# Altium PCB PowerSystem-v1.0.PcbDoc
Units mil, origin at the board's own origin, x right, y up, seen from the top; angles counter-clockwise.
Board outline 2753.65 x 2755.64 mil, 2 copper layers (Top Layer, Bottom Layer); 53 components, 27 nets, 216 pads, 3 vias.
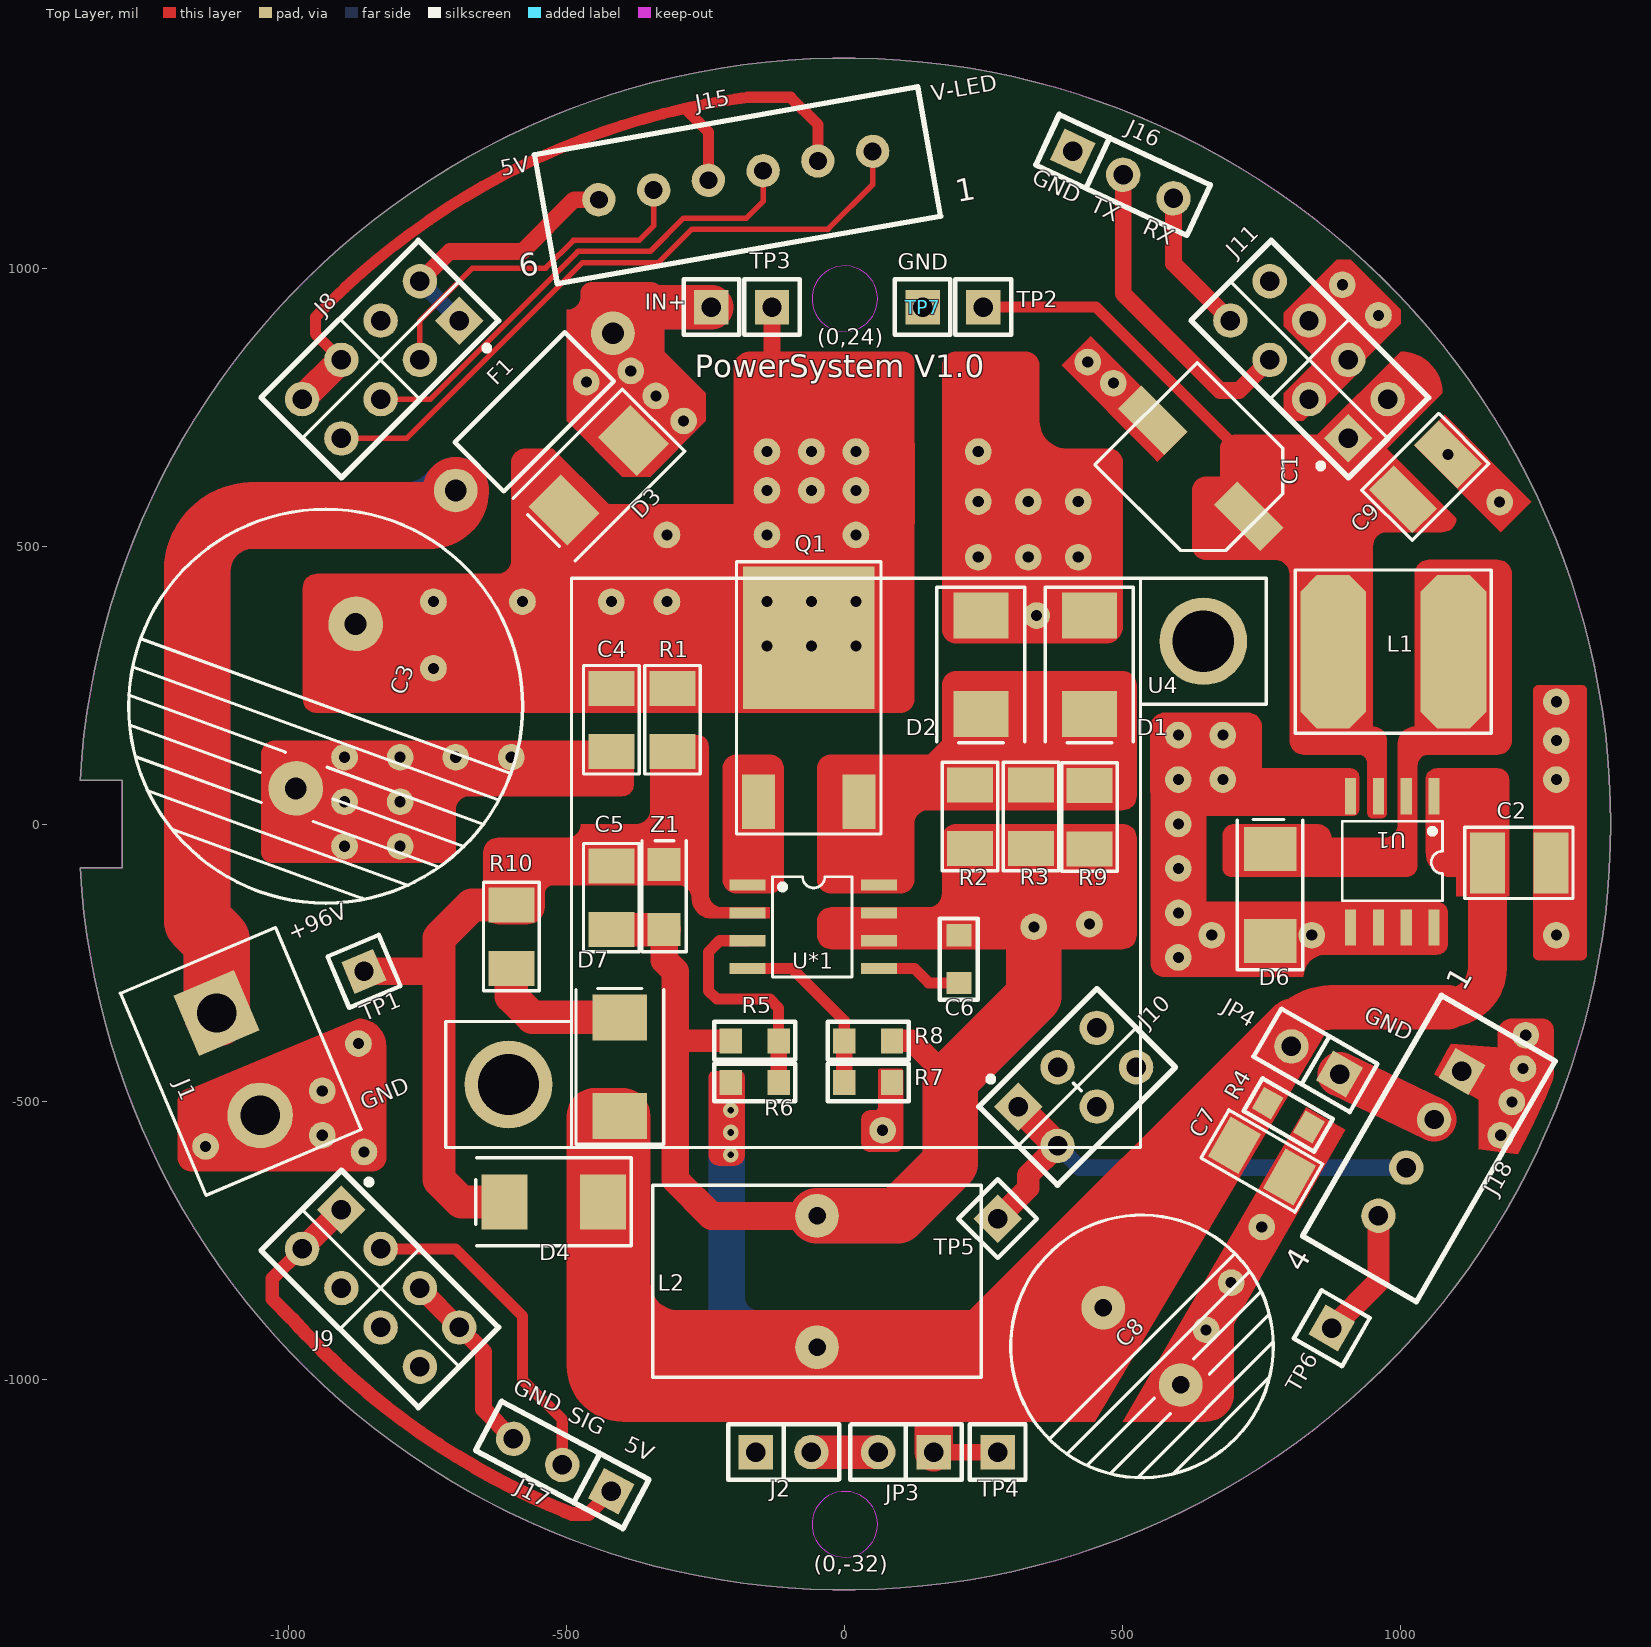
[diagram p0: Top Layer view]
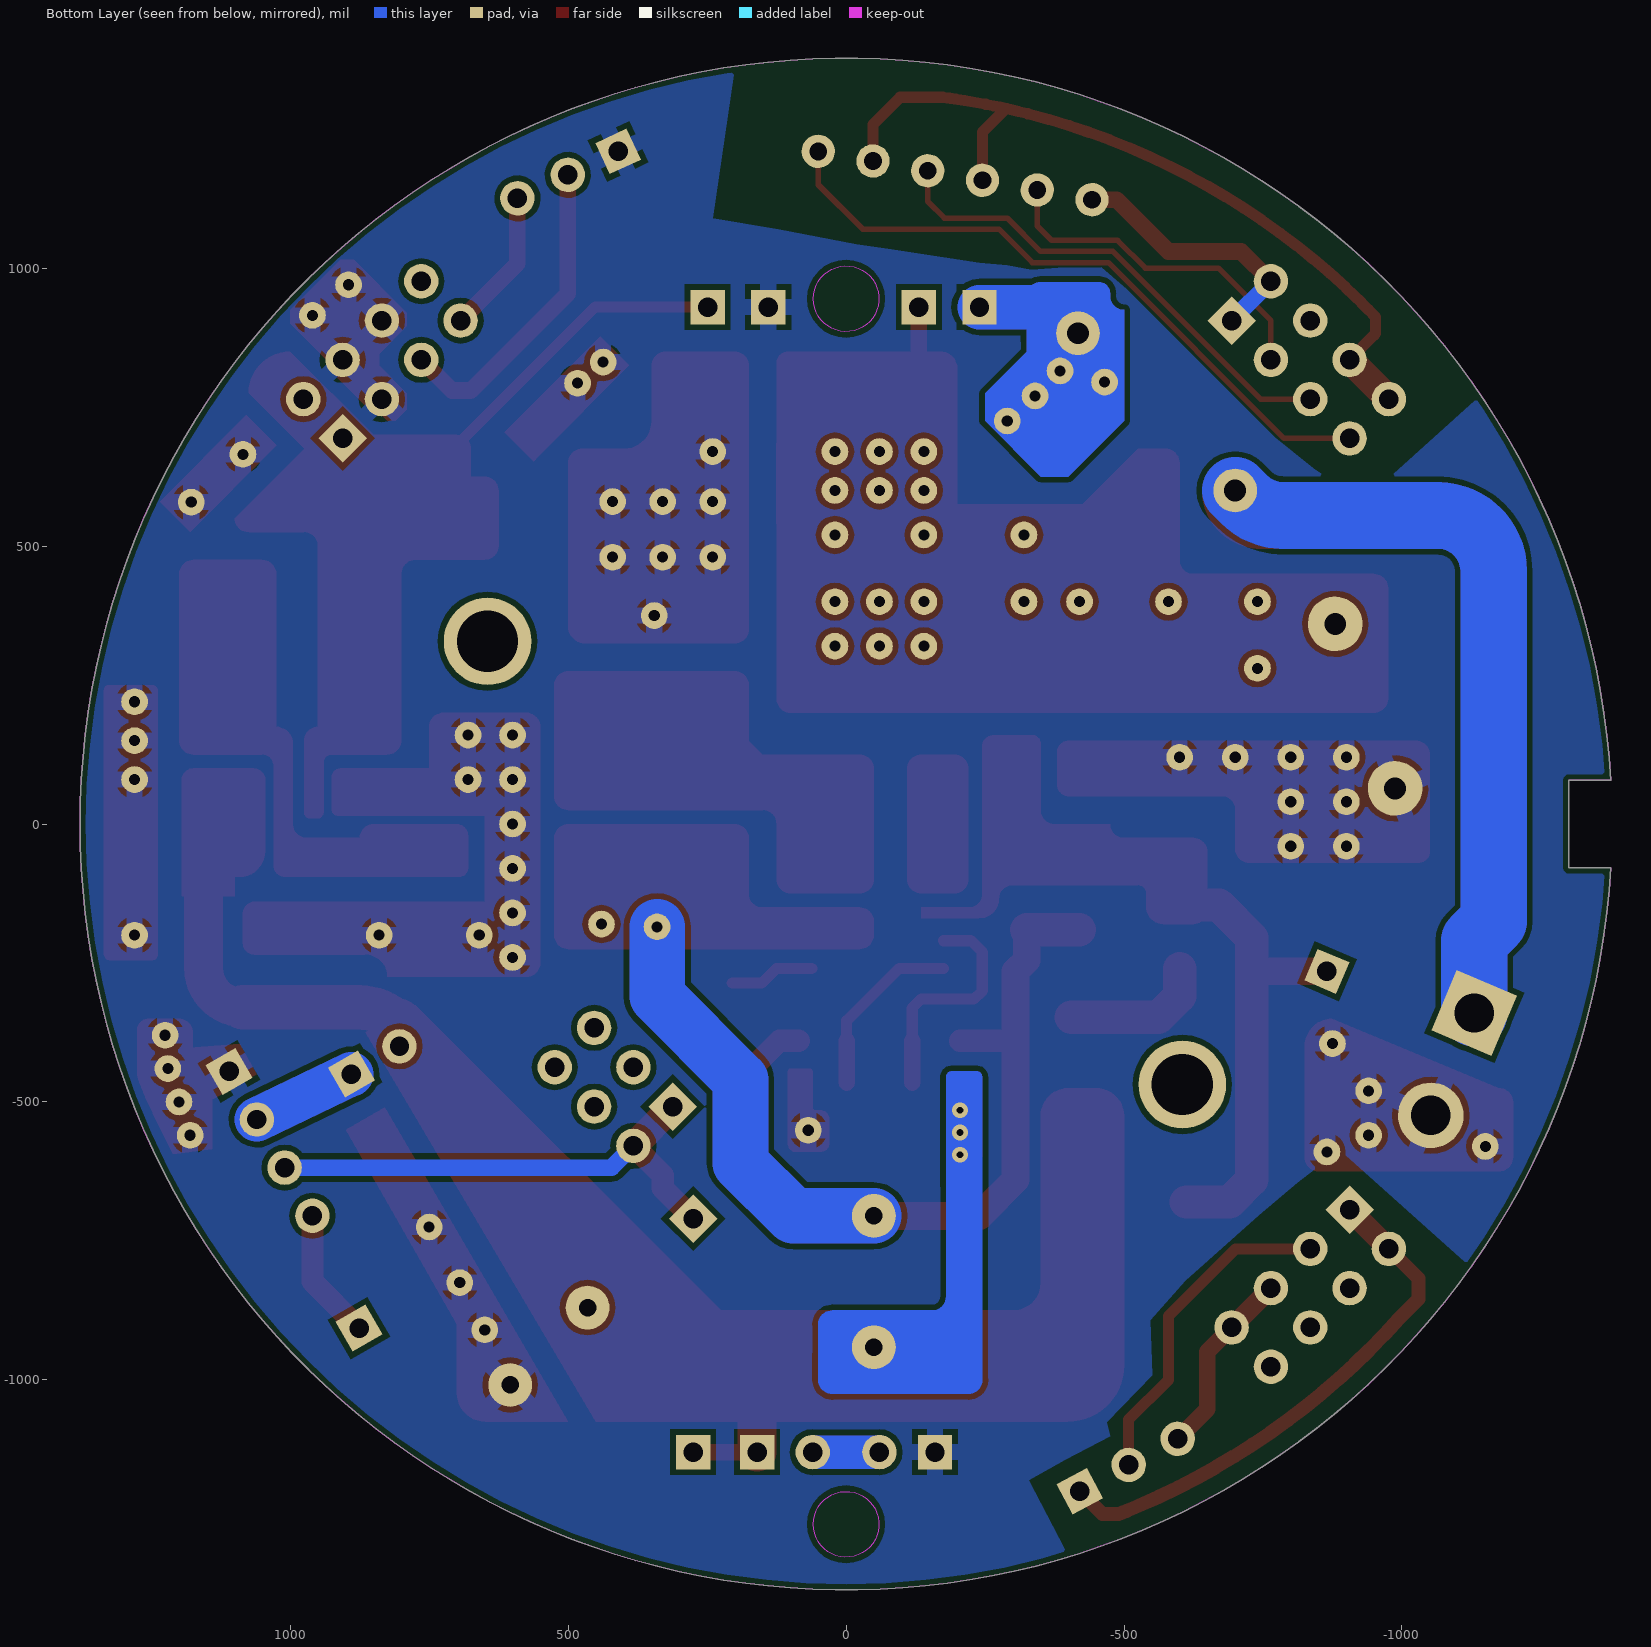
[diagram p1: Bottom Layer view, seen from below]

## Layer stack, top to bottom
Top Layer: signal copper 1.4
Dielectric: dielectric 12.6, FR-4, Dk 4.8
Bottom Layer: signal copper 1.4

## Board outline
-1375.7,-78.78 ccw(c0,0) -1375.7,78.78 -1375,78.74 -1300,78.74 -1300,-78.74

## Design rules (kind name [scope] priority, off if disabled: settings)
Clearance [All] p1: gap=10
ComponentClearance [All] p1: gap=-1 collisioncheckmode=3 verticalgap=-1 showdistances=FALSE
HoleSize [All] p1: absolutevalues=TRUE maxlimit=120 minlimit=1 maxpercent=80.000 minpercent=20.000
PlaneConnect [All] p1: planeconnectstyle=Relief reliefexpansion=20 reliefentries=4 reliefconductorwidth=30 reliefairgap=10
PolygonConnect [All] p1: connectstyle=Relief reliefconductorwidth=30 reliefentries=4 polygonreliefangle="90 Angle" airgapwidth=10
RoutingVias [All] p1: holewidth=28 width=50 viastyle="Through Hole" minholewidth=28 minwidth=50 maxholewidth=28 maxwidth=50
SilkToSilkClearance [All] p1: silktosilkclearance=-1
SolderMaskExpansion [All] p1: expansion=4
Width [All] p1: maxlimit=200 minlimit=10 preferedwidth=10 minimp=50.000000 maximp=50.000000 favimp=50.000000
24 further rules are at their usual default settings.

## Components (designator, comment, footprint, x,y, rotation, side; value= is the part's Value field where it differs from the comment)
C1 "100uF/16V" C+_6.3-7 590,690 r225 top
C2 "105/1210" 1210 1270,-70 r180 top
C3 "330uF/250V" C-18-8 -880,360 r250 top locked
C4 "10uF/160V/1206" 1206 -420,130 r90 top
C5 "10uF/50V/1206" 1206 -420,-190 r90 top
C6 "4.7uF/0805" 0805 205,-200 r270 top
C7 "10uF/35V/1206" 1206 800,-635 r150 top
C8 "470uF/63V" C-12-5 465,-870 r315 top
C9 "105/1210" 1210 1085,665 r225 top
D1 "SS510" DO-214AA 440,375 r270 top
D2 "SS510" DO-214AA 245,375 r270 top
D3 "S3M" S3M -380,690 r225 top
D4 "SS3200" S3M -435,-680 r180 top
D6 "DI" SS34 765,-45 r270 top
D7 "BAV21W" S3M -405,-525 r90 top
F1 "FUSE" PPTC-10MM -700,600 r45 top
IN+ "TP" CON1 -240,930 r0 top
J1 "CON2" CON2-5.08 -1130,-340 r293 top
J2 "CON2" CON2 -160,-1130 r0 top
J8 "CON4*2" CON4*2 -835,835 r225 top locked
J9 "CON4*2" CON4*2 -835,-835 r315 top locked
J10 "CON3*2" CON3*2 418,-473 r45 top locked
J11 "CON4*2" CON4*2 835,835 r135 top locked
J15 "CON6" CON6 50,1210 r190 top locked
J16 "CON3" CON3 410,1210 r335 top
J17 "CON3" CON3 -420,-1200 r152 top
J18 "CON4" CON4 1110,-445 r240 top
JP3 "JP-2" CON2 160,-1130 r180 top
JP4 "JP-2" CON2 890,-450 r150 top
L1 "68uH/2A" L-CD75 1095,310 r90 top
L2 "100uH/1mm" L-6MM -50,-705 r270 top locked
Q1 "HC080N10L" IRFR220N -65,40 r0 top
R1 "51K/1206" 1206 -310,130 r90 top
R2 "0R13/1%/1206" 1206 225,-44.17 r90 top
R3 "0R13/1%/1206" 1206 335,-44.17 r90 top
R4 "6.8K/0805" 0805 835,-545 r150 top
R5 "3.9K/1%/0805" 0805 -205,-390 r0 top
R6 "240K/1%/0805" 0805 -205,-465 r0 top
R7 "240K/1%/0805" 0805 85,-465 r180 top
R8 "3.9K/1%/0805" 0805 85,-390 r180 top
R9 "0R13/1%/1206" 1206 440,-45 r90 top
R10 "0R" 1206 -600,-260 r90 top
TP1 "TP" CON1 -865,-265 r293 top
TP2 "TP" CON1 249,930 r0 top
TP3 "TP" CON1 -131,930 r0 top
TP4 "TP" CON1 275,-1130 r0 top
TP5 "TP" CON1 275,-710 r45 top
TP6 "TP" CON1 876,-907 r240 top
TP7 "TP" CON1 140,930 r0 top
U1 "XL1509-5.0E1" XL1509 1060,50 r180 top
U4 "FAN" FAN-26*26MM 20,-70 r180 top locked
U*1 "BZ1303A" BZ1303A -175,-110 r270 top
Z1 "27V/0.5W" SOD123 -325,-190 r90 top

## Footprints (in the part's own frame and the unit in brackets; to place one, negate y for a bottom-side part, rotate by r counter-clockwise, add the part's x,y. Pads: shape width x height; smd on the part's side, far side on the other; paste and mask are expansions set on the pad)
0805 [mil]
  rect 40x45 smd: 1(0,0) 2(86,0)
  silkscreen extent -30,-34 116,34
1206 [mm]
  rect 1.6x2.1 smd: 1(0,0) 2(2.9,0)
  silkscreen extent -1.02,-1.27 3.94,1.27
1210 [mm]
  rect 1.6x2.8 smd: 1(0,0) 2(2.9,0)
  silkscreen extent -1.02,-1.63 3.94,1.63
BZ1303A [mil]
  rect 20x65 smd: 1(0,0) 2(50,0) 3(100,0) 4(150,0) 5(150,236.22) 6(100,236.22) 7(50,236.22) 8(0,236.22)
  silkscreen extent -15,45 165,188
C+_6.3-7 [mm]
  rect 1.5x3 smd: A(0,4.9) K(0,-1.3)
  silkscreen extent -3.3,-1.73 3.3,5.27
C-12-5 [mm]
  round 2 hole 0.8: A(0,0) K(5,0)
  silkscreen extent -3.5,-6 8.5,6
C-18-8 [mm]
  round 2.5 hole 1: A(0,0) K(8,0)
  silkscreen extent -5,-9 13,9
CON1 [mil]
  rect 62x62 hole 35: 1(0,0)
  silkscreen extent -50,-50 50,50
CON2 [mil]
  rect 62x62 hole 35: 1(0,0)
  round 62 hole 35: 2(100,0)
  silkscreen extent -50,-50 150,50
CON2-5.08 [mm]
  rect 3x3 hole 1.8: 1(0,0)
  round 3 hole 1.8: 2(5.08,0)
  silkscreen extent -2.55,-3.7 7.48,4
CON3 [mil]
  rect 62x62 hole 35: 1(0,0)
  round 62 hole 35: 2(100,0) 3(200,0)
  silkscreen extent -50,-50 250,50
CON3*2 [mil]
  rect 62x62 hole 35: 1(-100,50)
  round 62 hole 35: 2(-100,-50) 3(0,50) 4(0,-50) 5(100,50) 6(100,-50)
  silkscreen extent -150,-100 150,125
CON4 [mil]
  rect 62x62 hole 35: 1(0,0)
  round 62 hole 35: 2(100,0) 3(200,0) 4(300,0)
  silkscreen extent -100,-100 400,136
CON4*2 [mil]
  rect 62x62 hole 35: 1(-150,50)
  round 62 hole 35: 2(-150,-50) 3(-50,50) 4(-50,-50) 5(50,50) 6(50,-50) 7(150,50) 8(150,-50)
  silkscreen extent -200,-104 200,125
CON6 [mil]
  round 60 hole 32: 1(0,0) 2(100,0) 3(200,0) 4(300,0) 5(400,0) 6(500,0)
  silkscreen extent -100,-100 600,136
DO-214AA [mm]
  rect 2.1x2.5 smd: A(0,0) K(4.5,0)
  silkscreen extent -1.3,-2.02 5.82,2
FAN-26*26MM [mm]
  round 4 hole 2.8: 1(-15.875,-10.125) 2(15.875,10.125)
  silkscreen extent -18.75,-13 18.75,13
IRFR220N [mm]
  rect 6x6.5 smd: D(0,7.5)
  rect 1.5x2.5 smd: G(-2.3,0) S(2.3,0)
  silkscreen extent -3.3,-1.47 3.3,10.97
L-6MM [mm]
  round 2 hole 0.8: 1(0,0) 2(6,0)
  silkscreen extent -1.4,-7.5 7.37,7.5
L-CD75 [mm]
  oct 7x3 smd: 1(0,0) 2(0,5.5)
  silkscreen extent -3.73,-1.73 3.73,7.24
PPTC-10MM [mm]
  round 2 hole 1: 1(0,0) 2(10.16,0)
  silkscreen extent 1.52,-1.59 8.64,1.59
S3M [mm]
  rect 2.1x2.5 smd: A(0,0) K(4.5,0)
  silkscreen extent -1.3,-2.02 5.82,2
SOD123 [mm]
  rect 1.5x1.5 smd: A(0,0) K(2.972,0)
  silkscreen extent -1.02,-1.02 4.06,1.02
SS34 [mm]
  rect 2x2.4 smd: A(4.2,0) K(0,0)
  silkscreen extent -1.35,-1.5 5.51,1.5
XL1509 [mil]
  rect 20x65 smd: 1(0,0) 2(50,0) 3(100,0) 4(150,0) 5(150,236.22) 6(100,236.22) 7(50,236.22) 8(0,236.22)
  silkscreen extent -15,45 165,188

## Part data
C1 C3 C8: library part "C +"
C2 C4 C5 C6 C7 C9: library part C, "0603"
D1 D2 D3 D4 D7: library part D
L1 L2: library part L
Q1: library part MOS-N, "MOS-N"
R1 R2 R3 R4 R5 R6 R7 R8 R9 R10: library part R, "0603"
Z1: library part DI

## Free pads (board coordinates)
  round 48 hole 20: 1(-1150,-580) 1(-940,-560) 1(-940,-480) 1(-900,-40) 1(-900,40) 1(-900,120) 1(-875,-395) 1(-865,-590) 1(-800,-40) 1(-800,40) 1(-800,120) 1(-740,280) 1(-740,400) 1(-700,120) 1(-600,120) 1(-580,400) 1(-465,795) 1(-420,400) 1(-385,815) 1(-340,770) 1(-320,400) 1(-320,520) 1(-290,725) 1(-140,320) 1(-140,400) 1(-140,520) 1(-140,600) 1(-140,670) 1(-60,320) 1(-60,400) 1(-60,600) 1(-60,670) 1(20,320) 1(20,400) 1(20,520) 1(20,600) 1(20,670) 1(68,-551) 1(240,480) 1(240,580) 1(240,670) 1(330,480) 1(330,580) 1(340,-185) 1(345,375) 1(420,480) 1(420,580) 1(437,831) 1(440,-180) 1(483,793) 1(600,-240) 1(600,-160) 1(600,-80) 1(600,0) 1(600,80) 1(600,160) 1(650,-910) 1(660,-200) 1(680,80) 1(680,160) 1(695,-825) 1(750,-725) 1(840,-200) 1(895,970) 1(960,915) 1(1085,665) 1(1178,579) 1(1180,-560) 1(1200,-500) 1(1220,-440) 1(1225,-380) 1(1280,-200) 1(1280,80) 1(1280,150) 1(1280,220)

## Via types
v1: diameter 28, hole 12, Top Layer to Bottom Layer, 3 vias

## Nets (pads, with @x,y where several pads share a name; then routed paths per layer and width w, separated by ;. In a path a pad name is that pad's centre, name@x,y a point inside that pad or via, vN(x,y) a via of type N, cw(c..) or ccw(c..) an arc to the next point about the centre after c; other vN are vias at no path point)
5V: C1.A C9.2 J11.1 J11.2 L1.2 TP2.1 U1.3 | length 876.9
  Top Layer w20: TP2.1 451.9,930 710.95,670.95 883.08,670.95 ccw(c883.08,693.58) J11.1
  Top Layer w70: J11.1 J11.2
24V: C2.2 C7.2 C8.A D4.A D7.A JP3.1 JP4.2 L2.2 R4.2 R6.1 TP4.1 U1.1 | length 2093.8
  Top Layer w30: JP3.1 TP4.1
  Top Layer w70: JP3.1 160,-1047 169,-1038 170,-1039 ; C8.A 610,-725 610,-618.4 ; 1085,-330 ccw(c1085,-259.17) 1155.83,-259.17 C2.2
  Top Layer w80: 805.71,-359.29 cw(c876.42,-430) 876.42,-330 1085,-330
  Top Layer w90: 795,-370 805.71,-359.29
  Top Layer w100: -435,-850 -343.78,-941.22 L2.2 393.78,-941.22 C8.A
  other v1: -205,-595 -205,-555 -205,-515
GND: C1.K C2.1 C3.K C4.1 C7.1 C8.K C9.1 D1.A D2.A D6.A J1.2 J2.1 J8.6 J8.8 J9.5 J9.7 J11.3 J11.4 J11.6 J15.2 J15.4 J16.1 J17.3 J18.1 pad.1@68,-551 pad.1@240,480 pad.1@240,580 pad.1@240,670 pad.1@330,480 pad.1@330,580 pad.1@345,375 pad.1@420,480 pad.1@420,580 pad.1@437,831 pad.1@483,793 pad.1@600,0 pad.1@600,80 pad.1@600,160 pad.1@600,-80 pad.1@600,-160 pad.1@600,-240 pad.1@650,-910 pad.1@660,-200 pad.1@680,80 pad.1@680,160 pad.1@695,-825 pad.1@750,-725 pad.1@840,-200 pad.1@895,970 pad.1@960,915 pad.1@1085,665 pad.1@1178,579 pad.1@1180,-560 pad.1@1200,-500 pad.1@1220,-440 pad.1@1225,-380 pad.1@1280,80 pad.1@1280,150 pad.1@1280,220 pad.1@1280,-200 pad.1@-600,120 pad.1@-700,120 pad.1@-800,40 pad.1@-800,120 pad.1@-800,-40 pad.1@-865,-590 pad.1@-875,-395 pad.1@-900,40 pad.1@-900,120 pad.1@-900,-40 pad.1@-940,-480 pad.1@-940,-560 pad.1@-1150,-580 R4.1 R7.1 TP7.1 U1.4 U1.5 U1.6 U1.7 U1.8 | length 2249
  Top Layer w20: J8.6 -950,879.29 cw(c-944.12,885.17) -952.44,885.17 -952.44,912.33 cw(c0,0) -927.55,937.63 cw(c0,0) -174.64,1307.28 ; -310.33,1281.87 cw(c0,0) -287.91,1287.09 ; -265.4,1291.92 ccw(c0,0) -287.91,1287.09 ; J15.4 -245.44,1244.62 -287.91,1287.09 ; -197.43,1304.04 cw(c0,0) -174.64,1307.28 ; J15.2 -48.48,1258.48 -97.28,1307.28 -174.64,1307.28
  Top Layer w30: J9.7 -650,-949.29 -650,-1052.7 J17.3
  Top Layer w35: J9.5 J9.7
  Top Layer w50: J8.8 J8.6
  Top Layer w60: J11.3 J11.4 J11.6
  Top Layer w70: D2.A D1.A
GP2Y1014_5V: J8.1 J8.2 J15.6 | length 482.7
  Top Layer w30: J8.2 -710.71,1030 -580,1030 -486.82,1123.18 J15.6
  Bottom Layer w30: J8.2 J8.1
LED: J8.5 J15.3 | length 890.6
  Top Layer w10: J8.5 -745.71,764.29 -480,1030 -350,1030 -290,1090 -176.96,1090 -146.96,1120 J15.3
MG812_5V: J9.1 J9.2 J17.1 | length 1064.2
  Top Layer w25: J9.2 -1030,-817.87 -1030,-854.52 -995.03,-889.49 ; -504.4,-1235.66 ccw(c0,0) -490.49,-1241.25 ; J17.1 -461.25,-1241.25 -490.49,-1241.25 ; -995.03,-889.49 ccw(c0,0) -979.35,-906.72 ; -995.03,-889.49 ccw(c0,0) -979.35,-906.72 ; -995.03,-889.49 ccw(c0,0) -490.49,-1241.25 ; -995.03,-889.49 ccw(c0,0) -979.35,-906.72
  Top Layer w30: J9.2@-982.96,-770.83 J9.2
  Top Layer w40: J9.2 J9.1
MG812_SIG: J9.3 J17.2 | length 602.8
  Top Layer w20: J9.3 -700.71,-764.29 -580,-885 -580,-1000 -508.29,-1071.71 J17.2
MOTOR_DAC_IN: J10.1 J10.2 J18.3 TP5.1 | length 919.1
  Top Layer w40: TP5.1 330,-655 330,-631.71 J10.2
  Top Layer w50: J10.1 J10.2
  Bottom Layer w30: J10.2 421.78,-618.21 J18.3
NetC3_A: C3.A C4.2 D3.K pad.1@20,320 pad.1@20,400 pad.1@20,520 pad.1@20,600 pad.1@20,670 pad.1@-60,320 pad.1@-60,400 pad.1@-60,600 pad.1@-60,670 pad.1@-140,320 pad.1@-140,400 pad.1@-140,520 pad.1@-140,600 pad.1@-140,670 pad.1@-320,400 pad.1@-320,520 pad.1@-420,400 pad.1@-580,400 pad.1@-740,280 pad.1@-740,400 Q1.D R1.2 TP3.1 | length 111.1
  Top Layer w30: -131,833 TP3.1 ; -110,830 -100,820
NetC5_1: C5.1 C6.1 L2.1 pad.1@340,-185 pad.1@440,-180 R2.1 R3.1 R5.1 R8.1 R9.1 U*1.6 U*1.7 Z1.A | length 2597.2
  Top Layer w40: -300,-390 R5.1 ; R8.1 120,-390 190,-460
  Top Layer w50: Z1.A -325,-245 -305,-265 -305,-640 -240,-705 L2.1
  Top Layer w60: C5.1 Z1.A
  Top Layer w100: L2.1 95,-705 190,-610 190,-460 340,-310 pad.1@340,-185
  Bottom Layer w100: L2.1 95,-705 190,-610 190,-460 340,-310 pad.1@340,-185
NetC5_2: C5.2 D4.K R1.1 R10.2 TP1.1 U*1.2 Z1.K | length 858.9
  Top Layer w50: TP1.1 -730,-265
  Top Layer w60: D4.K -690,-680 -730,-640 -730,-265 -730,-205 -670.83,-145.83 R10.2
NetC6_2: C6.2 U*1.5 | length 154.5
  Top Layer w20: U*1.5 125,-260 151,-286 C6.2
NetD1_K: D1.K D2.K Q1.S R2.2 R3.2 R9.2 U*1.8
NetD3_A: D3.A F1.2 IN+.1 pad.1@-290,725 pad.1@-340,770 pad.1@-385,815 pad.1@-465,795 | length 326.7
  Top Layer w80: -370,930 IN+.1
  Bottom Layer w80: F1.2 -370,930 IN+.1
NetD6_K: D6.K L1.1 U1.2
NetD7_K: D7.K R10.1 | length 260.7
  Top Layer w60: R10.1 -600,-310 -562.17,-347.83 D7.K
NetF1_1: F1.1 J1.1 | length 2703.2
  Top Layer w120: J1.1 -1130,-210 -1165,-175 -1165,455 cw(c-1065,455) -1065,555 -745,555 ccw(c-745,600) F1.1
  Bottom Layer w120: J1.1 -1130,-210 -1165,-175 -1165,455 cw(c-1065,455) -1065,555 -786.42,555 ccw(c-786.42,655) -715.71,584.29 F1.1
NetJ2_2: J2.2 JP3.2 | length 240
  Top Layer w60: J2.2 JP3.2
  Bottom Layer w60: J2.2 JP3.2
NetJ18_2: J18.2 JP4.1 | length 377.1
  Top Layer w80: JP4.1 J18.2
  Bottom Layer w80: JP4.1 J18.2
NetJ18_4: J18.4 TP6.1 | length 237
  Top Layer w40: TP6.1 960,-823 J18.4
NetQ1_G: Q1.G U*1.1
NetR5_2: R5.2 R6.2 U*1.3 | length 421.1
  Top Layer w20: U*1.3 -225,-210 -245,-230 -245,-300 -230,-315 -135,-315 -119,-331 R5.2
  Top Layer w30: R6.2 R5.2
NetR7_2: R7.2 R8.2 U*1.4 | length 394.9
  Top Layer w15: R7.2@-5,-461 R8.2@-5,-390
  Top Layer w20: U*1.4 -95,-260 -1,-354 R8.2
  Top Layer w30: R7.2 R8.2
UART_RX: J11.7 J16.3 | length 262.1
  Top Layer w30: J16.3 591.26,1008.03 J11.7
UART_TX: J11.5 J16.2 | length 572
  Top Layer w30: J16.2 500.63,954.37 675,780 709.29,780 J11.5
V-LED: J8.7 J15.1 | length 1204.8
  Top Layer w10: J8.7 -788.14,693.58 -471.72,1010 -335,1010 -275,1070 -30,1070 50,1150 J15.1
VO: J8.3 J15.5 | length 626.1
  Top Layer w10: J8.3 -764.29,905.71 -670,1000 -538.28,1000 -488.28,1050 -370,1050 -343.92,1076.08 J15.5
pads on no net: J8.4 J9.4 J9.6 J9.8 J10.3 J10.4 J10.5 J10.6 J11.8 U4.1 U4.2

## Polygon pours and split planes (outlines as drawn)
GND on Bottom Layer "Top Layer-No Net" (solid, remove dead copper, pour order 3): -1400,1400 1400,1400 1400,-1400 -1400,-1400 -1400,1400

## Keep-outs
Keep-Out Layer:
  circle w1: c0,-1259.84 r59.06
  circle w1: c0,944.88 r59.06
  lines w1: -1375.7,-78.78 ccw(c0,0) -1375.7,78.78 ; -1375,-78.74 -1300,-78.74 -1300,78.74 -1375,78.74

## Other copper
Top Layer:
  region net NetD3_A: -350,625 -250,725 -250,775 -325,850 -325,950 ccw(c-350,950) -350,975 -455,975 ccw(c-455,955) -475,955 -475,950 cw(c-500,950) -500,925 -500,725 -400,625
  region net GND: 1060,-450 1140,-496 1140,-585 1211,-594 1234,-549 1261,-492 1273.55,-459.75 1275.49,-450 1275.24,-410 1091,-395 1085,-405
  region net GND: 825,725 1000,900 1000,925 910,1015 885,1015 790,920 790,895 840,845 840,825 790,775 790,745 810,725
  region net GND: 615,705 442.6,877.4 442,877 390,825 555,660 562,652
  region net GND: 1238,99 1308,99 1308,-205 1238,-205
  region net GND: 1024,681 1180,525 1235,580 1079,736
  region net GND: 175,575 175,825 cw(c200,825) 200,850 325,850 cw(c325,825) 350,825 350,725 ccw(c400,725) 400,675 475,675 cw(c475,650) 500,650 500,575
  region net NetC3_A: -200,820 cw(c-170,820) -170,850 105,850 cw(c105,830) 125,830 125.42,541.03 cw(c123.97,541.03) 123.97,539.58 -200,559.75
  region net GND: 1175,-375 cw(c1200,-375) 1200,-350 1255,-350 cw(c1255,-370) 1275,-370 1275,-450 cw(c1250,-450) 1250,-475 1175,-475
  region net GND: 92.93,-589.71 44.71,-589.71 cw(c44.71,-575) 30,-575 30,-531 cw(c46,-531) 46,-515 54.79,-515 ccw(c54.79,-510) 59.79,-510
  region net GND: 105,-445 105,-575 cw(c90,-575) 90,-590 75,-590 cw(c75,-575) 60,-575 60,-445 cw(c65,-445) 65,-440 100,-440 cw(c100,-445)
  region net GND: -1050,125 cw(c-1025,125) -1025,150 -400,150 cw(c-400,130) -380,130 -380,70 cw(c-400,70) -400,50 -675,50 ccw(c-675,25) -700,25 -700,-45 cw(c-725,-45) -725,-70 -1030,-70 cw(c-1030,-50) -1050,-50
  region net GND: -1175,-475 ccw(c-1175,-500) -1200,-500 -1200,-600 ccw(c-1175,-600) -1175,-625 -850,-625 ccw(c-850,-600) -825,-600 -825,-400 ccw(c-875,-400) -875,-350
  region net GND: 200,325 cw(c200,350) 175,350 175,625 cw(c200,625) 200,650 475,650 cw(c475,625) 500,625 500,355 cw(c470,355) 470,325
  region net GND: 925,25 cw(c915,25) 915,15 575,15 cw(c575,40) 550,40 550,75 cw(c575,75) 575,100 910,100 cw(c910,85) 925,85
  region net NetC5_2: -135,-150 -220,-150 cw(c-220,-125) -245,-125 -245,140 ccw(c-265,140) -265,160 -335,160 ccw(c-335,145) -350,145 -350,25 cw(c-375,25) -375,0 -475,0 cw(c-500,0) -500,-25 -625,-25 ccw(c-625,-50) -650,-50 -650,-155 ccw(c-625,-155) -625,-180 -570,-180 ccw(c-570,-150) -540,-150 -540,-125 cw(c-525,-125) -525,-110 -300,-110 cw(c-300,-135) -275,-135 ccw(c-240,-135) -240,-170 -135,-170
  region net NetC5_1: -25,-150 150,-150 ccw(c150,-125) 175,-125 175,-25 cw(c200,-25) 200,0 500,0 cw(c500,-25) 525,-25 525,-200 cw(c500,-200) 500,-225 -25,-225 cw(c-25,-200) -50,-200 -50,-175 cw(c-25,-175)
  region net NetD1_K: 500,25 ccw(c500,50) 525,50 525,250 ccw(c500,250) 500,275 200,275 ccw(c200,250) 175,250 175,150 150,125 -25,125 ccw(c-25,100) -50,100 -50,-100 ccw(c-25,-100) -25,-125 100,-125 ccw(c100,-100) 125,-100 125,0 cw(c150,0) 150,25
  region net NetC3_A: -950,200 100,200 ccw(c100,225) 125,225 125,550 ccw(c100,550) 100,575 -425,575 -525,675 -575,675 ccw(c-575,650) -600,650 -600,475 cw(c-625,475) -625,450 -950,450 ccw(c-950,425) -975,425 -975,225 ccw(c-950,225)
  region net NetD6_K: 1030,20 1030,105 cw(c1050,105) 1050,125 1175,125 ccw(c1175,150) 1200,150 1200,450 ccw(c1175,450) 1175,475 1050,475 ccw(c1050,450) 1025,450 1025,175 ccw(c1025,145) 995,145 995,20 ccw(c1005,20) 1005,10 1020,10 ccw(c1020,20)
  region net 5V: 1000,850 850,700 700,700 ccw(c700,675) 675,675 675,625 650,625 ccw(c650,600) 625,600 625,500 ccw(c650,500) 650,475 775,475 cw(c775,450) 800,450 800,150 ccw(c825,150) 825,125 925,125 ccw(c925,150) 950,150 950,500 cw(c975,500) 975,525 1075,525 ccw(c1075,550) 1100,550 975,675 1075,775 ccw(c1000,775)
  region net 5V: 950,10 cw(c950,20) 940,20 940,109.51 ccw(c925,109.51) 925,124.51 925,150 cw(c950,150) 950,175 cw(c950,150) 975,150 975,20 cw(c965,20) 965,10
  region net NetD6_K: 700,0 850,0 cw(c850,-25) 875,-25 970,-25 ccw(c970,0) 995,0 995,30 1030,30 1030,-75 cw(c1010,-75) 1010,-95 695,-95 cw(c695,-80) 680,-80 680,-20 cw(c700,-20)
  region net 24V: 1045,80 cw(c1065,80) 1065,100 1175,100 cw(c1175,80) 1195,80 1195,-130 1100,-130 1100,-95 1090,-95 cw(c1090,-50) 1045,-50
  region net NetQ1_G: -195,-125 cw(c-195,-100) -220,-100 -220,100 cw(c-195,100) -195,125 -135,125 cw(c-135,100) -110,100 -110,-100 cw(c-135,-100) -135,-125
  region net GND: 1085,-160 ccw(c1065,-160) 1065,-140 620,-140 ccw(c620,-160) 600,-160 600,-250 ccw(c625,-250) 625,-275 825,-275 cw(c865,-275) 865,-235 1065,-235 ccw(c1065,-215) 1085,-215
  region net 24V: -190,-445 cw(c-190,-455) -180,-455 -180,-595 cw(c-200,-595) -200,-615 -225,-615 cw(c-225,-595) -245,-595 -245,-455 cw(c-235,-455) -235,-445
  region net 24V: 775,-325 225,-875 -300,-875 cw(c-300,-825) -350,-825 -350,-525 ccw(c-400,-525) -400,-475 -450,-475 ccw(c-450,-525) -500,-525 -500,-975 ccw(c-400,-975) -400,-1075 450,-1075 865,-375
  region net GND: 500,-1075 830,-510 900,-550 700,-900 700,-1025 cw(c650,-1025) 650,-1075
  region net GND: 650,-275 575,-275 cw(c575,-250) 550,-250 550,57.5 627.5,57.5 cw(c627.5,35) 650,35
  region net GND: 549.76,57.5 549.76,174.76 cw(c575,174.76) 575,200 725,200 cw(c725,175) 750,175 750,40 cw(c735,40) 735,25 565,25 cw(c565,40) 550,40 550,57.5
  region net GND: 1238,240 cw(c1248,240) 1248,250 1326,250 cw(c1326,241) 1335,241 1335,-235 cw(c1325,-235) 1325,-245 1248,-245 cw(c1248,-235) 1238,-235
Bottom Layer:
  region net NetD3_A: -350,625 -250,725 -250,775 -325,850 -325,950 ccw(c-350,950) -350,975 -455,975 ccw(c-455,955) -475,955 -475,950 cw(c-500,950) -500,925 -500,725 -400,625
  pour cut-out: 240,1090 122,1070 -18,1043 -75,1035 -175,1020 -240,1010 -290,1005 -333,997 -382,1001 -459,1002 -505,962 -771,696 -840,640 -930,580 -1140,770 -1080,850 -1023,922 -916,1028 -798,1120 -669,1204 -573,1252 -519,1276 -429,1309 -338,1334 -338,1333 -271,1350 -197,1361 -81,1374 -80,1374 48,1376 130,1370 200,1360
  pour cut-out: -888.87,-587.41 -812,-645 -742,-704 -610,-822 -547,-893 -551,-992 -469,-1076 -475,-1101 -394,-1144 -329,-1181 -400,-1317 -445,-1303 -486,-1288 -525,-1272 -564,-1255 -601,-1238 -637,-1219 -708,-1179 -777,-1135 -845,-1086 -904,-1038 -960,-986 -1045,-895 -1122,-796
  region net 24V: -245,-455 cw(c-235,-455) -235,-445 -190,-445 cw(c-190,-455) -180,-455 -180,-850 ccw(c-155,-850) -155,-875 25,-875 cw(c25,-900) 50,-900 50,-1000 cw(c25,-1000) 25,-1025 -220,-1025 cw(c-220,-1000) -245,-1000

## Silkscreen, mask and mechanical layers (free items; w line width, h text height)
Top Overlay:
  text "V-LED" at 160,1290 h50 r10
  text "5V" at -615,1155 h50 r10
  text "GND" at 330,1145 h50 r335
  text "1" at 205,1105 h70 r10
  text "TX" at 435,1095 h50 r335
  text "RX" at 530,1055 h50 r335
  text "GND" at 95,987 h50
  text "6" at -580,970 h70 r10
  text "(0,24)" at -50,852 h50
  text "PowerSystem V1.0" at -270,790 h70
  text "+96V" at -990,-220 h50 r23
  text "1" at 1125,-310 h70 r60
  text "GND" at 927,-362 h50 r335
  text "GND" at -860,-525 h50 r23
  text "4" at 835,-815 h70 r60
  text "GND" at -604,-1031 h50 r335
  text "SIG" at -505,-1082 h50 r335
  text "5V" at -403,-1135 h50 r335
  text "(0,-32)" at -56,-1355 h50